# KiCad board IO_SDR_1.1.kicad_pcb (continued)
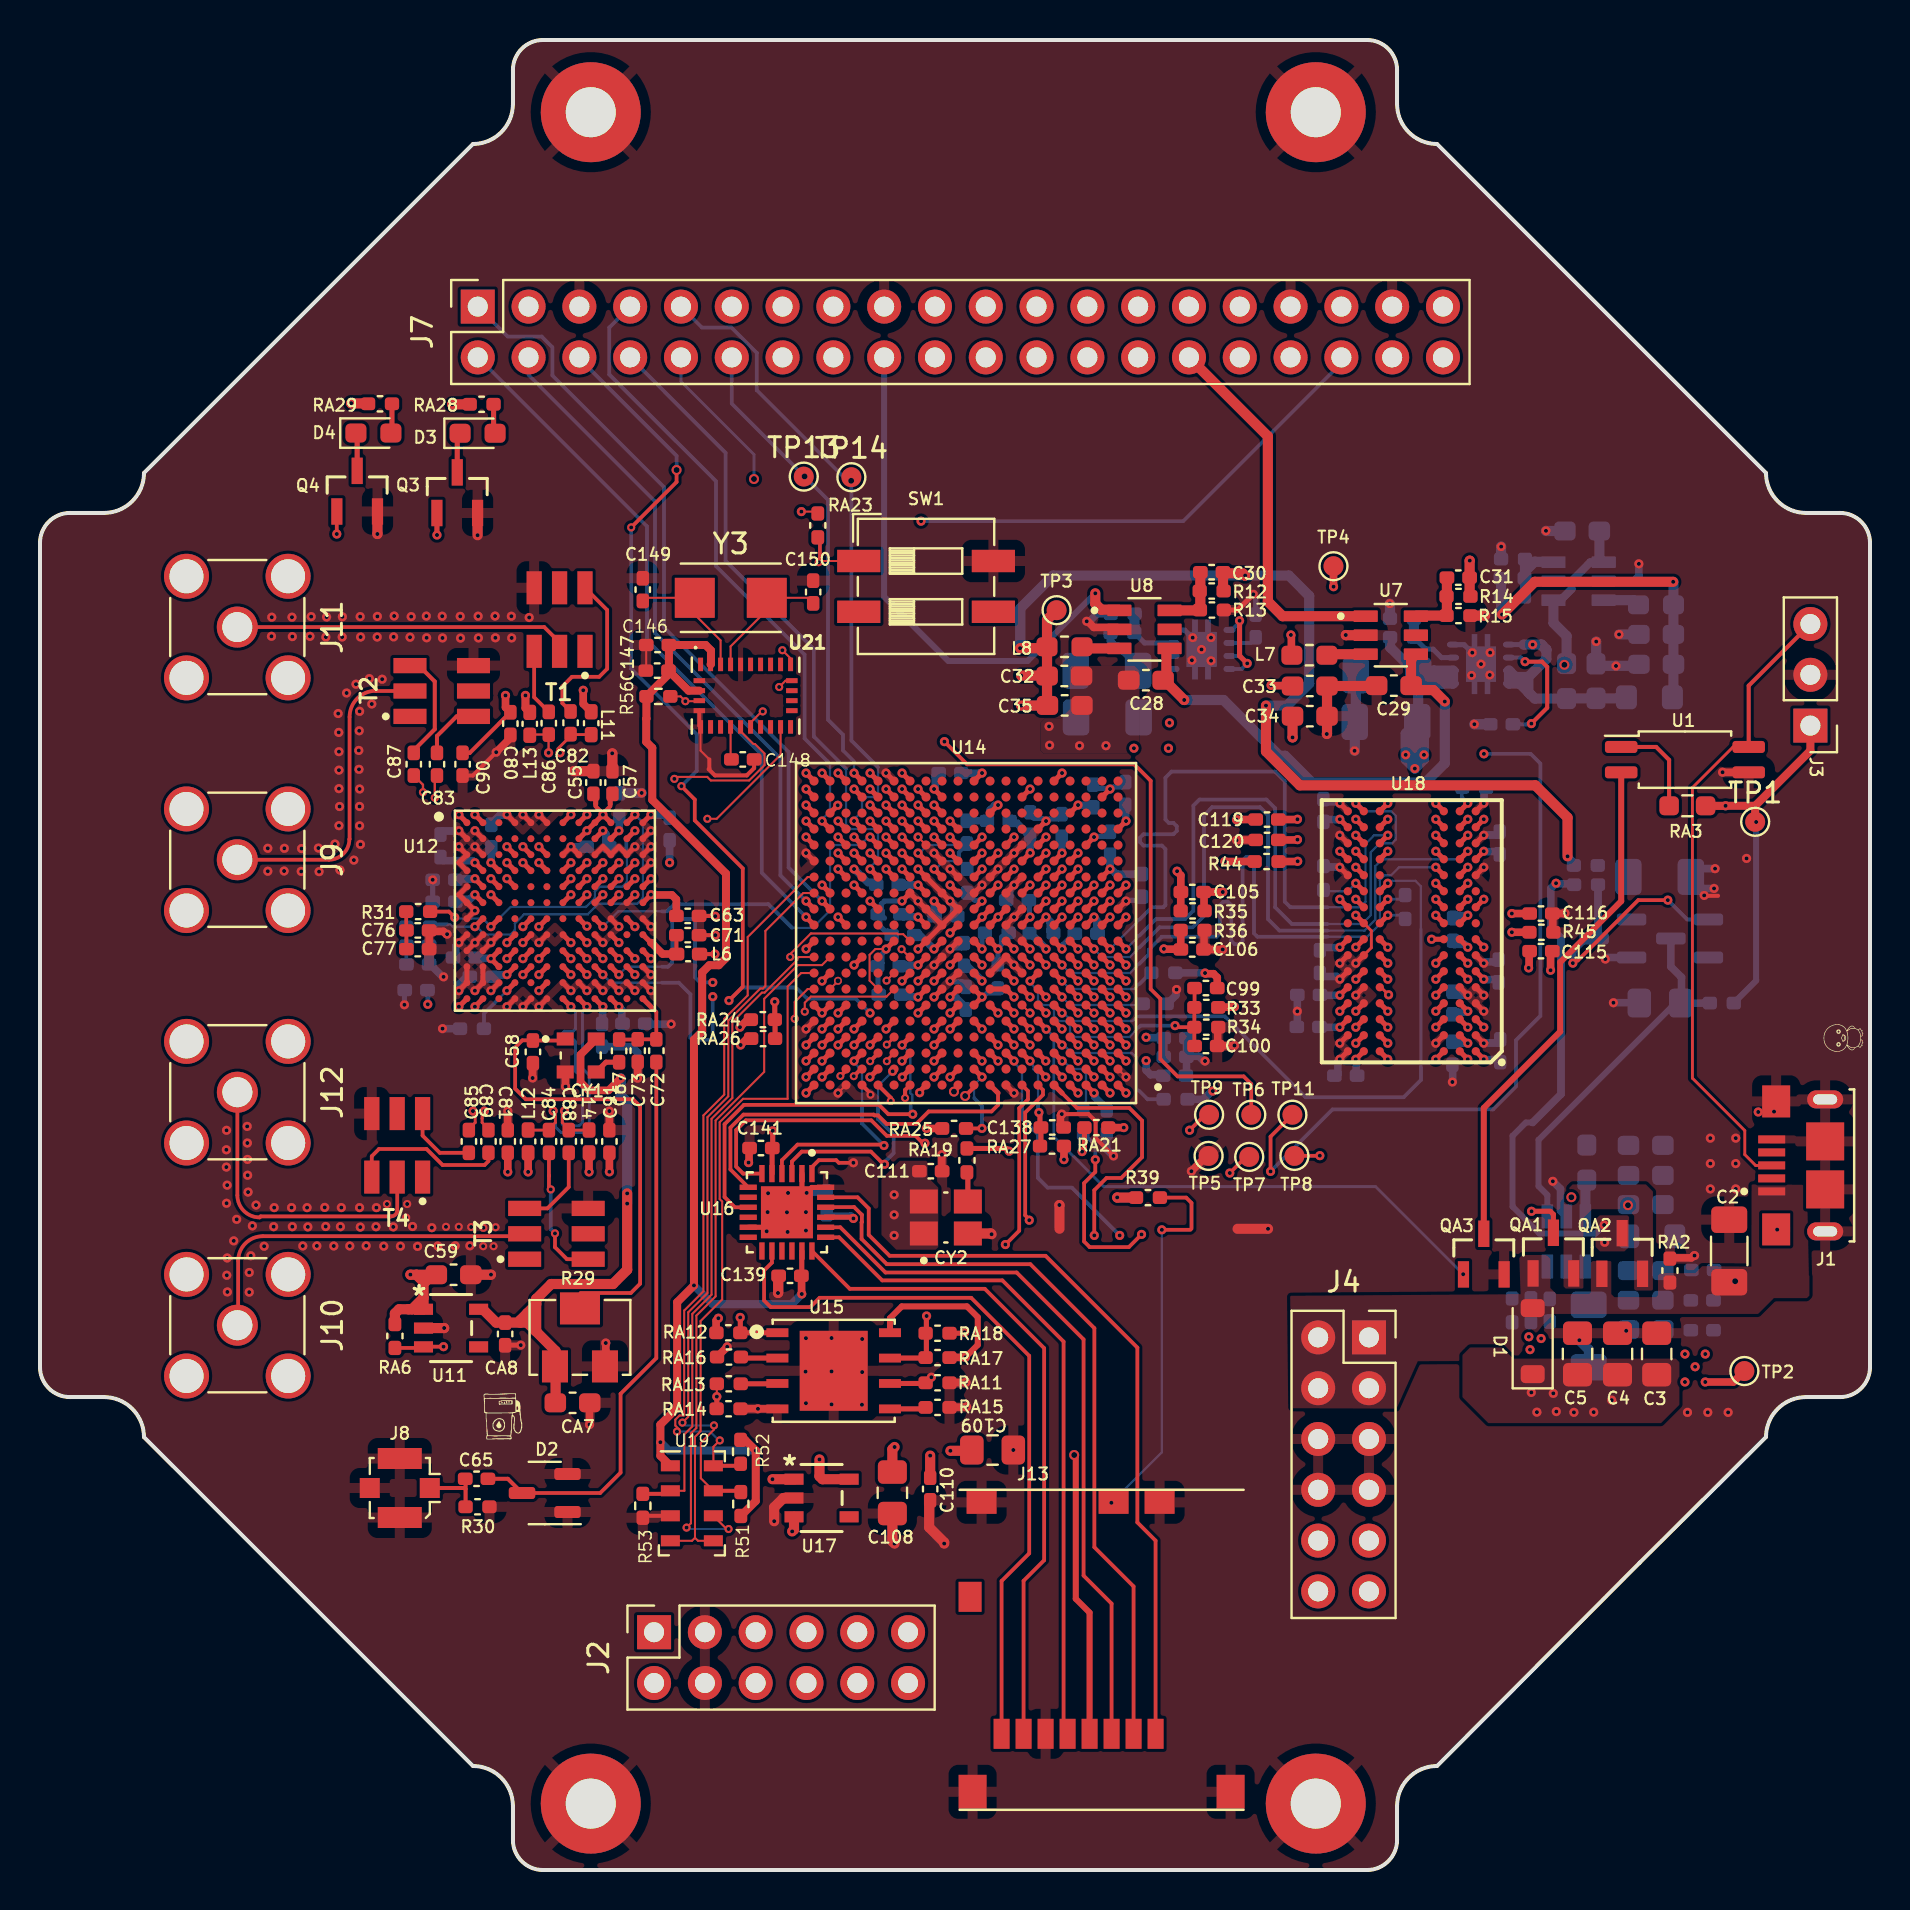
[diagram p0: board, top side]
## Nets (continued)
PS_MIO35_501_USB0_D3: U14.F12
PS_MIO38_501_USB0_D6: U14.E13
PS_MIO39_501_USB0_D7: U14.C18
PTI: J1.3 J3.3 U1.4
PWR_Rx: J4.9 U14.A10
PWR_Rx1: J4.11
PWR_Tx: J4.10 U14.A11
PWR_Tx1: J4.12
SCL: J7.9 TP14.1 U14.U17
SCLK-1: R52.2 U14.P20 U19.8
SD0-1: U14.J19 U19.6
SD_BOOT: J7.39 RA13.2 RA14.1
SDA: J7.12 TP13.1 U14.Y17
SDA-1: R51.2 U14.N20 U19.7
SDMMC_CLK: U14.D14 U16.9
SDMMC_CMD: U14.C17 U16.4
SDMMC_D0: U14.E12 U16.6
SDMMC_D1: U14.A9 U16.7
SDMMC_D2: U14.F13 U16.1
SDMMC_D3: U14.B15 U16.3
TCK: J7.32 TP11.1
TDI: J7.34 TP9.1
TDO: J7.31 TP8.1
TMS: J7.29 TP7.1
TX_VCO_1P1V_SUPPLY: R31.2 U12.B11 U12.G3
UART_RX: J7.35 U14.E8
UART_TX: J7.38 U14.D9
USR_BTN: RA20.2 RA23.2 SW1.1
USR_LED: Q3.1 U14.C8
Net-(C10-Pad1): C10.1 C11.1 C12.1 L1.2 L3.1 R4.1
Net-(C14-Pad1): C14.1 C15.1 C16.1 C18.1 L4.2 L5.1 R6.1
Net-(C76-Pad2): C76.2 C77.2 R31.1
Net-(C78-Pad2): C78.2 C79.2 R32.1
Net-(C82-Pad2): C82.2 T1.6
Net-(C83-Pad2): C83.2 T2.6
Net-(C84-Pad2): C84.2 T3.6
Net-(C85-Pad2): C85.2 T4.6
Net-(C86-Pad2): C86.2 T1.3
Net-(C87-Pad2): C87.2 T2.3
Net-(C88-Pad2): C88.2 T3.3
Net-(C89-Pad2): C89.2 T4.3
Net-(CY1-Out): C67.1 CY1.3
Net-(CY1-Standby): C58.1 CY1.1 R29.2
Net-(D3-A): D3.2 RA28.2
Net-(D3-K): D3.1 Q3.3
Net-(D4-A): D4.2 RA29.2
Net-(D4-K): D4.1 Q4.3
Net-(J8-In): C65.2 J8.1 R30.1
Net-(Q1-B): Q1.1 Q2.3 R2.2
Net-(Q1-C): C9.1 Q1.3 R3.2 U4.1
Net-(Q2-B): C7.1 Q2.1 R1.2
Net-(QA1-S): QA1.2 QA2.2
Net-(QA3-D): QA3.3 U1.2
Net-(R42-Pad2): R42.2 R43.1
Net-(RA3-Pad2): RA3.2 U1.1
Net-(U3-FB/OUT): C10.2 R4.2 R5.1 U3.6
Net-(U3-LX): L1.1 U3.3
Net-(U4-FB/OUT): C14.2 R6.2 R7.1 U4.6
Net-(U4-LX): L4.1 U4.3
Net-(U5-FB): R8.2 R9.1 U5.3
Net-(U5-NR): C24.1 U5.6
Net-(U6-FB): R10.2 R11.1 U6.3
Net-(U6-NR): C22.1 U6.6
Net-(U7-FB/OUT): C31.2 R14.2 R15.1 U7.6
Net-(U7-LX): L7.1 U7.3
Net-(U8-FB/OUT): C30.2 R12.2 R13.1 U8.6
Net-(U8-LX): L8.1 U8.3
Net-(U12-RBIAS): RA8.1 U12.L4
Net-(U14G-PS_DDR_VRN_502): R38.1 U14.G5
Net-(U14G-PS_DDR_VRP_502): R37.1 U14.H5
Net-(U14H-PS_CLK_500): RA19.1 U14.E7
Net-(U14H-PS_MIO7_500): RA21.1 U14.D8
Net-(U14H-PS_MIO8_500): RA22.1 U14.D5
Net-(U14H-PS_MIO14_500): RA20.1 U14.C5
Net-(U14I-PS_MIO_VREF_501): RA24.2 RA26.2 U14.E11
Net-(U14I-PS_SRST_B_501): RA25.1 U14.B10
Net-(U18-ZQ0): R47.1 U18.L8
Net-(U21-CAP): C148.1 U21.9
Net-(U21-XIN32): C149.1 U21.27 Y3.1
Net-(U21-XOUT32): C150.1 U21.26 Y3.2

Pads without a net: J1 2 4; J7 25 26 27 28; J9 2; J10 2; J11 2; J12 2; J13 DL; R40 1; R41 1; SW1 2 3; T1 1 5; T2 1 5; T3 1 5; T4 1 5; U3 5; U4 5; U7 5; U8 5; U11 4; U12 A3 G7 H11 M3 M11; U14 B13 C13 F6 F9 F10 F11 F16 F17 G6 G14 G17 G18 H16 H17 H18 J6 J9 J10 J15 J16 J18 K9 K10 K16 K17 K18 K19 L6 L9 L10 L14 L15 L16 L17 L19 M6 M9 M10 M14 M15 M17 M18 N6 N15 N16 P1 P3 R1 R2 R3 R6 R10 R11 R19 T1 T2 T4 T5 T6 T9 T19 U2 U3 U4 U5 U7 U8 U9 U10 V1 V2 V3 V5 V6 V7 V8 V10 V11 W1 W3 W4 W5 W6 W8 W9 W10 W11 Y1 Y2 Y3 Y4 Y6 Y7 Y8 Y9 Y11 Y12 Y13; U16 8 10 12 13 15 16; U17 4; U18 J1 J9 L1 L9 M7; U21 1 7 8 12 13 15 16 17 18 21 22 23 24

## Via types
v1: diameter 0.457, hole 0.203, Top.Cu to Bottom.Cu, 835 vias
v2: diameter 0.5, hole 0.3, Top.Cu to Bottom.Cu, 11 vias
v3: diameter 0.406, hole 0.203, Top.Cu to Bottom.Cu, 43 vias
v4: diameter 0.4, hole 0.25, Top.Cu to Bottom.Cu, 1 via
v5: diameter 0.4, hole 0.2, Top.Cu to Bottom.Cu, 8 vias

## Routing (per net, layer and track width the routed paths; a pad name or vN(x,y) marks a point on that pad's centre or on a via; arc(x,y) is an arc through that point)
+1V0: length 81.3
  Top.Cu w0.254: U14.N7 v1(49.5,49.25) ; v1(43.9,45.25) U14.J13 ; v1(43.9,43.65) U14.G13 ; v1(44.7,48.45) U14.M12 ; v1(43.9,47.65) U14.L13 ; U14.J7 v1(49.5,45.25) ; U14.G7 v1(49.5,43.65) ; U14.L7 v1(49.5,47.65) ; v1(43.9,50.85) U14.R13 ; U14.P8 v1(48.7,50.05) ; U14.R7 v1(49.51,50.85) ; v1(43.9,49.25) U14.N13 ; v1(44.7,46.05) U14.K12 ; v1(45.5,43.65) U14.G11 ; v1(44.7,50.05) U14.P12 ; U14.H10 v1(47.1,44.45) ; v1(44.7,44.45) U14.H12
  Top.Cu w0.508: v1(49.01,61.09) 50.28,61.09 ; v1(60.26,64.72) 60.24,64.72 60.13,64.83 59.21,64.83 ; v1(61.3,58.22) 61.3,55.93 62.99,54.23 74.76,54.23 76.38,52.62 v1(76.38,50.68) ; 50.35,58.25 50.35,59.7 ; 59.15,63.98 C30.1 ; TP3.1 50.35,62.51 L8.2 50.35,59.7 ; v1(49.06,58.22) 50.36,58.22 ; v1(49.06,59.72) 50.33,59.72
  Bottom.Cu w0.113: v1(43.9,50.85) 43.98,50.85 44.38,51.25 46.26,51.25 ; v1(44.7,50.05) 44.79,50.05 45.18,50.45 45.73,50.45
  Bottom.Cu w0.203: 46.34,51.27 45.94,50.88 45.94,50.66 45.73,50.45
  Bottom.Cu w0.254: 49.47,48.47 49.47,47.68 v1(49.5,47.65)
  Bottom.Cu w0.381: 43.04,45.23 43.89,45.23 v1(43.9,45.25) ; 46.29,43.13 45.79,43.63 45.52,43.63 v1(45.5,43.65) ; v1(76.38,50.68) 76.59,50.47 76.59,50.26 ; 49.39,51.86 49.32,51.86 48.85,52.34 48.6,52.34 ; v1(43.9,43.65) 43.89,43.66 43.18,43.66 ; C97.1 46.35,45.21 47.1,44.46 v1(47.1,44.45) ; v1(49.51,50.85) C101.1 ; C95.1 43.14,47.66 43.89,47.66 v1(43.9,47.65) ; v1(44.7,48.45) 44.72,48.43 44.72,47.69 ; 43.88,46.79 43.94,46.79 44.68,46.05 v1(44.7,46.05) ; 42.95,49.25 43.9,49.25 v1(43.9,49.25)
  Bottom.Cu w0.508: v1(61.3,58.22) 62.36,58.22 63.46,59.32 63.46,63.71 62.44,64.72 v1(60.26,64.72) 50.66,64.72 49.02,63.08 49.02,61.1 v1(49.01,61.09)
+1V2: length 27.8
  Top.Cu w0.2: C90.1 21.49,55.86 C80.1
  Top.Cu w0.203: 28.15,52.82 28.51,53.19 28.51,53.29 ; 28.15,52.82 27.78,53.18 27.78,53.29 ; 28.15,52.82 v1(28.15,52.77)
  Top.Cu w0.254: U12.A10 v1(28.15,52.77) U12.A9 v1(27.35,51.97) 26.95,51.57 ; U12.M9 v1(28.15,43.17) ; U12.M10 v1(28.95,43.17) ; v1(21.75,50.37) U12.D2 ; v1(22.55,49.57) 22.95,49.17 ; 27.78,53.29 27.78,53.69 ; v1(23.35,44.77) U12.K4 ; 28.51,53.29 28.51,53.69 ; v1(22.55,50.37) 22.95,49.97 ; 30.15,48.37 v1(30.55,48.77)
  Top.Cu w0.381: v1(27.45,34.9) L14.2 ; v1(30.55,48.77) 30.56,48.75 31.59,48.75 31.82,48.53 C63.1 ; v1(23.28,58.73) 23.28,58.13 C80.1 ; v1(27.16,58.99) 27.16,58.31 L11.2 ; v1(24.41,34.9) L12.2 ; v1(28.47,34.91) C91.1 ; v1(23.39,34.9) C81.1
  Top.Cu w0.4: L13.2 24.27,58.1 v1(24.27,58.73)
  Bottom.Cu w0.381: 22.56,51.12 22.56,50.38 v1(22.55,50.37) ; 28.13,42.33 28.13,43.15 v1(28.15,43.17) ; 20.14,50.47 21.62,50.47 21.72,50.37 v1(21.75,50.37) ; 54.91,60.2 53.91,61.19 53.76,61.19 53.53,61.42 R10.1 ; 22.62,44.75 23.33,44.75 v1(23.35,44.77) ; 29.09,42.35 29.09,43 28.95,43.15 v1(28.95,43.17)
  vias: v1(54.7,56.09) v1(56.47,57.36) v1(56.42,56.09)
+1V5: length 56.7
  Top.Cu w0.254: U14.A3 v1(52.7,38.85) ; U14.P2 v1(53.5,50.05) ; v1(64.99,46.14) U18.H9 ; v1(64.99,42.14) U18.C9 ; U18.D2 v1(71.39,42.94) ; v1(64.99,43.74) U18.E9 ; U18.F1 v1(72.19,44.54) ; U14.V4 v1(51.9,53.25) ; U14.H4 v1(51.9,44.45) ; U14.R5 v1(51.1,50.85) ; U18.N1 v1(72.19,50.94) ; U18.C1 v1(72.19,42.14) ; U18.H2 v1(71.39,46.14) ; U14.U1 v1(54.3,52.45) ; U18.G7 v1(67.39,45.34) ; U14.G1 v1(54.3,43.65) ; U18.B2 v1(71.39,41.34) ; v1(64.99,52.54) U18.R9 ; U18.R1 v1(72.19,52.54) ; v1(64.99,42.94) U18.D9 ; v1(65.79,48.54) U18.K8 ; U18.K2 v1(71.39,48.54) ; U14.D2 v1(53.5,41.25) ; U14.L3 v1(52.7,47.65) ; U14.E5 v1(51.1,42.05) ; U18.A1 v1(72.19,40.54) ; v1(65.79,40.54) U18.A8 ; v1(64.99,50.94) U18.N9
  Top.Cu w0.381: v1(61.55,59.24) 61.57,59.22 62.61,59.22 ; 64.68,65.19 64.68,64.17 v1(64.68,64.16) ; v1(59.24,50.42) R44.1 ; 58.18,48.9 59.14,48.9 v1(59.14,48.9) ; C99.1 58.86,44.62 58.67,44.81 58.29,44.81 v1(58.25,44.85) ; 58.2,47.98 58.2,48.87 ; v1(59.83,52.51) 59.84,52.52 C119.1 ; v1(59.72,43.16) 59.71,43.15 58.96,43.15 ; 62.57,60.76 62.57,61.73 v1(62.54,61.75) ; 75.53,45.86 v1(75.53,44.99)
  Top.Cu w0.508: C34.1 62.63,56.63 v1(62.63,56.63) ; 71.48,63.72 C31.1 71.48,65.46 v1(71.49,65.47)
  In2_Sig1.Cu w0.113: 71.48,65.48 65.99,65.48 v1(64.68,64.16)
  Bottom.Cu w0.381: 54.29,53.24 54.29,52.46 v1(54.3,52.45) ; 64,42.14 v1(64.99,42.14) ; v1(71.39,41.34) 71.37,41.35 70.77,41.35 70.65,41.47 ; v1(64.99,46.14) 64.97,46.12 64.11,46.12 ; 70.6,46.39 70.72,46.28 71.23,46.28 71.37,46.14 v1(71.39,46.14) ; 52.84,46.85 52.84,47.49 52.7,47.63 v1(52.7,47.65) ; v1(52.7,38.85) 52.75,38.8 52.75,38.64 53.34,38.05 ; C121.1 53.81,49.8 53.56,50.05 v1(53.5,50.05) C125.1 ; v1(72.19,50.94) 72.2,50.92 72.91,50.92 ; 51.1,51.65 51.1,50.85 v1(51.1,50.85) ; 72.86,44.52 72.2,44.52 v1(72.19,44.54) ; v1(58.25,44.85) 58.24,44.85 56.77,44.85 ; 70.65,42.78 70.77,42.9 71.33,42.9 71.37,42.94 v1(71.39,42.94) ; 56.14,39.76 55.53,39.76 55.3,39.99 v1(55.3,40.47) ; 65.8,39.73 65.8,40.52 v1(65.79,40.54) ; 72.98,40.4 72.86,40.52 72.2,40.52 v1(72.19,40.54) ; 64,43.74 v1(64.99,43.74) ; v1(51.9,53.25) 51.92,53.23 52.56,53.23 ; v1(64.99,52.54) 64.97,52.52 64.19,52.52 ; 56.14,41.62 55.32,41.62 v1(55.3,41.64) ; 56.19,40.68 56.19,41.57
+1V8: length 69
  Top.Cu w0.102: v1(38.07,67.92) 38.8,67.92
  Top.Cu w0.203: v1(33.75,45.8) L6.1
  Top.Cu w0.254: v1(38.3,54.85) U14.Y20 ; v1(45.5,49.25) U14.N11 ; v1(39.1,49.25) U14.N19 ; 47.5,48.05 v1(47.1,47.65) 46.7,47.25 ; 49.9,48.85 v1(50.3,49.25) ; U14.Y10 v1(47.1,54.85) ; 46.7,45.65 v1(47.1,45.25) ; U14.K8 v1(48.7,46.05) ; U14.F8 v1(48.7,42.85) ; U14.W7 v1(49.5,54.05) ; U14.B6 50.29,39.66 v1(50.29,39.65) ; v1(41.5,48.45) U14.M16 ; 36.61,34.83 36.61,36.09 ; U14.B16 41.5,39.65 v1(41.5,39.65) ; U14.K6 v1(50.3,46.05) ; v1(42.3,42.05) U14.E15 ; U14.R9 v1(47.9,50.85) ; 47.5,47.25 v1(47.9,47.65) U14.M8 ; U14.T8 v1(48.7,51.65) ; U14.P10 v1(47.1,50.05) ; U14.H8 v1(48.7,44.45) ; v1(44.7,41.25) U14.D12 ; v1(39.1,40.45) U14.C19 ; v1(39.9,42.85) U14.F18 ; 49.9,50.45 v1(50.3,50.85) ; 36.64,36.12 v1(36.64,36.96) ; U14.G9 U14.G8 v1(48.7,43.65) ; U14.N9 v1(47.9,49.25) ; 49.9,51.25 v1(50.3,51.65) ; v1(45.5,52.45) U14.U11 ; v1(39.9,51.65) U14.T18 ; v1(45.5,42.85) 45.9,43.25 ; v1(40.7,45.25) U14.J17 ; v1(45.5,46.85) U14.L11 ; v1(40.7,54.05) U14.W17 ; v1(43.1,53.25) U14.V14 ; U14.A13 43.98,38.93 v1(43.98,38.87) ; U14.D7 v1(49.5,41.25) ; 46.7,46.45 v1(47.1,46.05) ; v1(43.1,44.45) U14.H14 ; v1(38.3,46.05) U14.K20 ; 46.7,48.05 v1(47.1,48.45) ; v1(45.5,45.25) U14.J11 ; v1(42.3,50.85) U14.R15
  Top.Cu w0.3: U15.8 42.5,27.59 43.09,28.18 46.35,28.18 46.89,27.64 46.89,26.26 v1(46.27,25.64)
  Top.Cu w0.381: RA21.2 v1(54.19,37.12) ; RA26.1 35.35,41.57 v1(35.03,41.25) ; v1(44.32,37.08) 44.32,37.08 RA25.2 ; v1(33.92,27.59) 33.81,27.48 33.81,26.87 ; v1(51.2,35.52) 51.2,36.19 ; v1(83.26,24.4) 84.67,24.4 TP2.1 ; v1(46.27,25.64) 46.26,25.63 45.49,25.63
  Top.Cu w0.508: R39.1 53.87,33.62 v1(53.86,33.63) ; J7.30 61.39,71.68 61.39,63.42 62.13,62.69 66.28,62.69
  Bottom.Cu w0.254: v1(47.1,46.05) 47.11,46.05 47.11,46.84 ; 46.36,48.82 46.56,48.63 46.59,48.63 46.74,48.49 47.06,48.49 v1(47.1,48.45)
  Bottom.Cu w0.381: v1(58.64,38.95) 58.59,38.95 58.18,38.54 RA22.2 ; C112.1 v1(47.1,54.85) ; v1(50.3,46.05) 50.3,46.05 49.51,46.84
  vias: v1(42.71,33.76) v1(42.71,32.76) v1(42.71,31.73) v1(82.25,25.8) v1(82.25,24.4) v1(82.76,25.16) v1(83.26,25.8)
+3.3V: length 31
  Top.Cu w0.381: v1(29.04,39.59) 28.43,38.98 27.44,38.98 27.03,39.39 27.03,40.77 CY1.4
  Top.Cu w0.508: 24.01,27.37 24.01,27.49 24.36,27.84 ; 24.01,27.37 24.36,27.37 ; 24.01,27.37 CA8.1 22.81,27.37 22.14,28.04 ; 24.36,27.37 24.78,26.95 ; 24.36,27.37 24.36,27.84 ; 24.78,26.95 24.81,26.98 24.81,28.55 ; 24.78,26.95 25.78,25.95 25.78,23.37 ; 24.36,27.84 24.81,28.29 24.81,28.55 ; v1(29.36,33.83) 29.36,30.01 28.65,29.3 25.56,29.3 24.81,28.55
  Bottom.Cu w0.508: v1(29.36,33.32) 29.36,38.4 29.04,38.72 v1(29.04,39.59)
+3V3: length 90.2
  Top.Cu w0.254: 39.29,32.64 40.6,32.64 v1(40.67,32.58) ; 38.09,29.73 38.09,30.94
  Top.Cu w0.3: v2(51.71,20.75) 51.79,20.67 51.79,13.56 52.48,12.87 J13.4
  Top.Cu w0.381: 38.08,29.7 38.08,28.81 v1(38.09,28.8)
  Top.Cu w0.4: U19.1 31.02,20.71 v3(31.02,21.39) 31.02,22.27 31.86,23.11 31.86,28.39 v3(32.7,29.23) 32.7,41.51 33.11,41.92 33.11,44.88 33.47,45.24 33.94,45.24 34.3,45.6 34.3,49.82 30.61,53.51 30.61,56.11 30.31,56.41 30.31,57.56 30.32,57.57 R56.1 31.43,59.78 C147.1 32.43,58.97 U21.3 ; R51.1 35.79,18.45 v3(35.79,20.97) 35.25,21.51 R52.1 ; 31.45,59.99 C146.1 33.28,61.25 33.55,60.98 33.55,60.3 U21.28
  Top.Cu w0.508: v1(38.97,20.53) 38.97,19.69 39.12,19.54 U17.5 ; v1(42.73,21.15) 42.62,21.04 C108.1 ; v1(44.51,20.72) C110.1 ; v1(45.52,20.96) 46.55,20.96
  Bottom.Cu w0.381: v1(40.67,32.58) 40.55,32.69 39.42,32.69
  Bottom.Cu w0.4: v3(35.79,20.97) 35.37,20.97 35.36,20.97 31.43,20.97 v3(31.02,21.39) ; v1(38.09,28.8) 37.58,28.29 33.64,28.29 v3(32.7,29.23)
+5VA: length 178.1
  Top.Cu w0.381: RA3.1 v1(84.28,53.21)
  Top.Cu w0.4: J3.1 88.52,55.97 85.76,53.21 ; 85.76,53.21 TP1.1 ; 85.76,53.21 RA3.1
  Top.Cu w0.508: 19.17,28.61 18.6,28.04 18.43,28.04 ; 19.17,28.61 U11.1 18.43,28.04 ; 19.17,28.61 19.17,29.32 ; 21.48,73.28 20.61,73.28 v1(20.61,73.28) ; 18.82,29.76 19.17,29.41 19.17,29.32 ; 18.82,29.76 C59.1 ; 18.82,29.76 18.52,29.76 v1(18.52,29.77) ; v1(15.56,73.34) 15.57,73.33 16.39,73.33 ; 53.93,63.02 53.06,63.02 52.77,63.31 v1(52.77,63.83) ; 18.43,28.04 17.95,28.04 17.74,27.83 RA6.1 ; 68.6,59.24 68.84,59 69.67,59 v1(70.24,58.42) ; 56.32,59.65 56.32,61.04 ; U17.3 37.7,17.02 v1(37.61,16.93) ; v1(57.21,58.5) 57.21,58.5 56.22,59.49 ; C29.1 68.56,60.55 68.79,60.79 ; U17.1 v1(36.62,19.54) ; 19.17,29.32 19.62,29.76
  In1.GND1.Cu w0.381: v2(76.22,60.26) 75.8,59.84 v1(75.8,49.34) 79.68,53.21 v1(84.28,53.21)
  In1.GND1.Cu w0.508: v1(70.24,58.42) 74.38,58.42 v2(76.22,60.26)
  In2_Sig1.Cu w0.113: v1(52.77,63.83) 54.12,63.83 54.72,63.24 54.72,59.15 55.37,58.5 v1(57.21,58.5)
  In4PWR2.Cu w0.3: J7.18 39.86,73.28 v1(20.61,73.28)
  In4PWR2.Cu w0.508: v1(20.61,73.28) 20.55,73.34 v1(15.56,73.34)
  Bottom.Cu w0.3: v1(52.76,63.83) 49.38,60.45 45.42,60.45 42.21,63.66 J7.18 ; 74.64,37.37 74.29,37.37 73.63,36.71 73.63,33.17 74.97,31.83 77.78,31.83 v1(78.21,32.25) ; R3.1 85.81,44.47 v3(85.81,52.4)
  Bottom.Cu w0.381: 76.6,49.3 75.84,49.3 v1(75.8,49.34) 75.54,49.07 75.54,47.12 76.05,46.61 76.05,38.79 74.64,37.37
  Bottom.Cu w0.4: U3.1 77.52,65.39 76.58,64.45 76.58,64.05 76.02,63.49 75.67,63.49
  Bottom.Cu w0.508: L2.1 76.33,61.7 75.67,62.35 U3.4 ; v1(70.24,58.42) 70.24,55.34 69.28,54.38 63.58,54.38 62.25,55.71 61.97,55.71 59.18,58.5 v1(57.21,58.5) ; C6.1 77.97,65.6 78.18,65.39
  vias: v1(74.57,23.88) v1(74.85,22.89) v1(75.67,23.83) v1(75.82,22.92) v1(76.7,22.88) v1(77.69,22.89) v1(78.23,31.39) v1(78.59,23.49)
+5VD:
  vias: v2(84.76,29.44)
+5VP: length 2.1
  Top.Cu w0.254: v1(74.58,32.94) 75.52,32.94 75.67,32.78 QA1.3
+15V: length 6.5
  Top.Cu w0.254: v1(65.79,50.14) U18.M8 ; U18.H1 v1(72.19,46.14)
  Top.Cu w0.381: C119.2 62.86,52.52 v1(62.87,52.54) ; v1(62.87,51.52) 62.86,51.5 C120.1 ; v1(73.59,47.82) C116.1 ; 74.46,45.84 74.46,45.13 v1(74.43,45.11) ; R44.2 62.87,50.42 v1(62.88,50.44) ; v1(73.59,46.89) R45.1
GND: length 262.9
  Top.Cu w0.102: v1(39.9,38.85) U14.A18 ; U14.F3 v1(52.7,42.85) ; 33.47,55.53 33.03,55.97 U21.6 ; v1(42.3,46.05) 41.77,46.05 41.48,45.76 41.48,44.47 U14.G16 ; U14.B1 v1(54.3,39.65) ; U14.J2 v1(53.5,45.25) ; C146.2 30.31,59.99 ; U14.F7 v1(49.5,42.85) ; U14.T13 v1(43.9,51.65)
  Top.Cu w0.142: U18.G8 66.57,46.12 66.57,46.96 U18.J8
  Top.Cu w0.2: U21.5 32.97,57.22 U21.6 ; C148.2 35.71,55.1 35.34,54.73 33.75,54.73 33.44,55.04 33.47,55.07 33.47,55.53 ; U19.3 30.24,17.71 ; v1(22.81,55.89) 21.64,54.72 C90.2
  Top.Cu w0.203: v1(33.76,47.69) 33.74,47.71 C63.2 ; v1(33.77,46.74) C71.2 ; 83.9,48.71 83.23,48.71 v1(83.21,48.73) ; v1(53.68,35.7) 52.78,36.6 52.78,37.43 52.42,37.8 v1(51.09,37.8)
  Top.Cu w0.254: U18.P1 v1(72.19,51.74) ; v1(69.79,41.34) U18.B3 ; U12.H10 v1(28.95,46.37) ; 30.15,52.37 v1(30.55,52.77) ; U14.C4 v1(51.9,40.45) ; v1(45.5,44.45) U14.H11 ; U18.E2 v1(71.39,43.74) ; U14.N4 v1(51.9,49.25) ; 26.15,50.77 v1(26.55,51.17) 26.95,50.77 ; v1(40.7,41.25) U14.D17 ; v1(23.35,43.17) U12.M4 ; U14.T7 v1(48.7,50.85) U14.R8 ; 30.15,47.57 v1(30.55,47.17) ; U12.C9 28.15,51.17 U12.C10 28.95,51.17 U12.C11 v1(29.75,51.17) ; U14.A8 v1(48.7,38.85) ; U14.G10 v1(47.1,43.65) 46.7,43.25 ; v1(64.99,41.34) U18.B9 ; U12.L11 v1(29.75,43.97) ; U18.E1 v1(72.19,43.74) ; U18.G1 v1(72.19,45.34) ; v1(23.35,52.77) U12.A4 ; v1(39.89,53.24) 39.89,53.23 U14.V19 ; U18.D1 v1(72.19,42.94) ; v1(24.95,43.17) U12.M6 ; 30.15,44.37 v1(30.55,43.97) ; v1(64.99,44.54) U18.F9 ; v1(24.15,52.77) U12.A5 ; v1(38.3,50.85) U14.R20 ; v1(65.79,42.94) U18.D8 ; v1(45.5,50.05) U14.P11 ; v1(43.1,48.45) U14.N14 v1(43.9,48.45) U14.M13 U14.L12 ; U14.E10 v1(47.1,42.05) ; v1(60.66,63.78) 59.88,63 R13.2 ; U14.L12 U14.M11 v1(45.5,48.45) U14.N12 U14.P13 v1(43.9,50.05) ; U14.L12 U14.K13 v1(43.9,46.05) ; 38.34,33.88 38.59,34.13 39.27,34.13 ; U14.N8 v1(48.7,49.25) U14.P7 ; U14.Y5 v1(51.1,54.85) ; U12.J2 v1(22.55,46.37) 22.95,46.77 ; v1(44.7,45.25) U14.J12 ; 30.15,49.97 v1(30.55,50.37) ; 26.15,48.37 v1(26.55,48.77) ; v1(44.7,43.65) U14.G12 ; U14.V9 v1(47.9,53.25) ; v1(20.95,46.37) 21.35,46.77 ; 38.1,34.06 U16.2 ; U14.U6 v1(50.3,52.45) ; v1(21.75,51.17) U12.C2 ; U12.F11 v1(29.75,48.77) ; U14.J2 v1(53.5,45.25) ; U18.J2 v1(71.39,47.74) ; 21.35,47.57 v1(21.75,47.97) 20.95,48.77 21.35,49.17 ; U12.H9 v1(28.15,46.37) ; U12.L9 v1(28.15,43.97) ; v1(64.99,50.14) U18.M9 ; v1(24.95,46.37) U12.H6 ; U14.K7 v1(49.5,46.05) ; v1(65.79,43.74) U18.E8 ; 30.15,45.17 v1(30.55,44.77) ; v1(22.55,43.97) 22.95,44.37 ; v1(21.75,51.97) U12.B2 ; U14.H9 U14.J8 v1(48.7,45.25) U14.H7 ; U18.M1 v1(72.19,50.14) ; v1(64.99,40.54) U18.A9 ; v1(64.99,53.34) U18.T9 ; 30.15,51.57 v1(30.55,51.97) ; U12.L10 v1(28.95,43.97) ; v1(24.15,43.17) U12.M5 ; v1(39.9,47.65) U14.L18 ; U14.W2 v1(53.5,54.05) ; v1(65.79,47.74) U18.J8 ; v1(64.99,51.74) U18.P9 ; v1(24.95,52.77) U12.A6 ; 21.35,49.97 20.95,50.37 21.35,50.77 v1(20.95,51.17) ; v1(38.3,42.05) U14.E20 ; v1(40.7,50.05) U14.P17 ; v1(45.5,46.05) U14.K11 ; U14.N10 v1(47.1,49.25) ; v1(44.7,50.85) U14.R12 ; U16.11 36.17,32.14 ; v1(43.1,40.45) U14.C14 ; 49.9,48.05 v1(50.3,48.45) ; U12.K2 U12.L2 v1(21.75,43.97) ; 30.15,50.77 v1(30.55,51.17) ; U14.C9 v1(47.9,40.45) ; U12.G10 v1(28.95,47.17) ; v1(39.1,44.45) U14.H19 ; U14.T3 v1(52.7,51.65) ; 26.15,44.37 v1(26.55,43.97) ; 26.95,44.37 v1(27.35,43.97) ; v1(23.35,51.17) U12.C4 ; 26.15,46.77 v1(26.55,46.37) ; v1(24.15,46.37) U12.H5 ; v1(43.9,44.45) U14.H13 ; v1(45.5,39.65) U14.B11 ; U18.B1 v1(72.19,41.34) ; v1(20.95,51.97) 21.35,51.57 ; 23.26,26.24 v1(24.04,26.24) ; U14.M1 v1(54.3,48.45) ; U12.F9 v1(28.15,48.77) ; U14.L8 v1(48.7,47.65) U14.M7 ; U18.T1 v1(72.19,53.34) ; 21.35,45.17 21.35,44.37 v1(20.95,43.97) ; v1(44.7,54.05) U14.W12 ; 21.35,45.97 v1(21.75,46.37) U12.H2 ; v1(41.5,52.45) U14.U16 ; v1(64.99,45.34) U18.G9 ; v1(42.3,46.05) U14.K15 ; v1(22.55,48.77) 22.95,48.37 ; U14.P9 v1(47.9,50.05) ; U14.K5 v1(51.1,46.05) ; v1(65.79,45.34) U18.G8 ; v1(42.3,54.85) U14.Y15
  Top.Cu w0.381: v1(27.48,22.27) 27.48,23.35 ; v1(35.43,35.37) 35.45,35.4 35.45,36.07 ; v1(82.73,30.72) 82.68,30.72 82.57,30.61 81.5,30.61 ; v1(20.35,46.79) 20.31,46.79 20.16,46.93 19.5,46.93 ; v1(29.88,39.59) 29.89,39.6 C73.2 ; v1(76.25,47.84) 76.23,47.82 C116.2 ; 45.49,24.37 46.29,24.37 v1(46.3,24.38) ; v1(34.36,26.16) 34.36,26.16 RA16.2 ; 53.87,62.13 52.69,62.13 52.38,62.43 v1(52.34,62.43) ; 26.27,39.89 26.27,39.18 v1(26.28,39.17) ; C91.2 v1(28.47,37.95) ; 24.64,40.33 24.64,39.61 v1(24.63,39.6) ; 36.87,23.06 35.9,23.06 v1(35.9,23.06) RA14.2 ; 58.18,46.03 v1(59.14,46.03) ; 28.28,25.95 28.29,25.96 v1(28.29,26.35) ; 51.02,37.25 51.02,37.73 v1(51.09,37.8) ; 75.64,46.91 75.64,47.8 ; 45.09,34.95 v1(45.09,35.77) ; C120.2 59.84,51.5 v1(59.83,51.49) ; 45.49,23.14 46.32,23.14 v1(46.33,23.16) ; U1.3 84.14,54.88 v1(84.13,54.89) ; 58.2,46.05 58.2,46.97 ; 75.62,34.46 v1(75.64,34.43) ; C77.1 C76.1 ; 58.9,41.21 59.71,41.21 v1(59.72,41.23) ; v1(57.57,34.94) 58.33,35.7 ; 58.89,41.23 58.89,42.12 ; v1(35,42.14) 35.38,42.52 ; C81.2 v1(23.39,37.95) ; v1(22.81,55.89) 23.52,56.6
  Top.Cu w0.508: U17.2 37.17,18.6 36.71,18.13 v1(36.71,17.44) ; v1(22.55,29.77) 22.54,29.76 C59.2 ; v1(47.58,31.79) 47.54,31.83 CY2.2 ; v1(65.29,61.75) 65.3,61.74 66.28,61.74 ; 28.62,54.95 28.62,55.83 v1(28.61,55.83) ; 66.81,59.2 C33.2 C34.2 64.35,56.81 v1(64.34,56.8) ; v1(16.87,66.8) 16.87,66.8 16.87,67.92 ; v1(36.9,28.85) 36.91,28.86 36.91,29.69 ; v1(50.97,33.25) 50.97,33.24 50.97,32.07 ; R15.2 72.25,62.72 v1(72.26,62.73) ; 59.88,32.06 v1(61.4,32.06) ; U11.2 20.21,27.1 v1(20.21,27.1) ; v1(26.68,54.94) 27.67,54.94 ; C108.2 42.62,16.43 v1(42.73,16.32) ; v1(21.88,66.74) Q3.2 ; 44.46,18.43 44.46,17.13 45.21,16.38 v1(45.21,16.32)
  In1.GND1.Cu w0.102: v1(43.1,40.45) 42.68,40.87 41.08,40.87 v1(40.7,41.25) 40.32,40.87 40.32,40.29 40.1,40.07 39.78,40.07 39.52,39.81 39.52,39.23 v1(39.9,38.85) ; v1(47.1,43.65) 47.52,43.23 49.12,43.23 v1(49.5,42.85) ; v1(43.9,51.65) 43.52,52.03 41.92,52.03 v1(41.5,52.45) ; v1(52.7,42.85) 53.08,43.23 53.08,44.83 v1(53.5,45.25) 53.08,45.67 51.48,45.67 v1(51.1,46.05) ; v1(51.9,40.45) 52.28,40.07 52.82,40.07 53.08,39.81 53.08,39.53 53.34,39.27 53.92,39.27 v1(54.3,39.65)
  In1.GND1.Cu w0.142: v1(26.55,46.37) 26.56,46.37 26.98,46.79 27.72,46.79 v1(28.15,46.37)
  In1.GND1.Cu w0.254: v1(51.1,46.05) 50.65,46.5 49.96,46.5 v1(49.5,46.05) ; v1(39.89,53.24) 40.71,53.24 v1(41.5,52.45)
  Bottom.Cu w0.203: v1(53.68,35.7) 53.67,35.7
  Bottom.Cu w0.254: 70.66,61.26 71.21,61.26 71.61,60.87 ; 48.37,48.49 48.55,48.68 48.55,49.04 48.7,49.19 v1(48.7,49.25) ; v1(42.3,46.05) 42.3,45.99 42.1,45.79 42.1,45.37 41.92,45.19 ; 51.09,52.74 50.91,52.55 50.46,52.55 50.36,52.45 v1(50.3,52.45) 50.25,52.45 50.12,52.58 49.7,52.58 49.51,52.76 ; 46.21,44.31 46.1,44.41 45.54,44.41 v1(45.5,44.45) 45.54,44.49 ; 41.9,43.81 41.9,45.15 ; 53.5,51.87 53.32,51.69 52.74,51.69 v1(52.7,51.65) ; v1(54.3,48.45) 54.34,48.49 54.93,48.49 ; v1(51.1,46.05) 51.14,46.09 51.14,46.27 51.68,46.82 ; v1(18.22,43.26) 18.22,43.98 ; 47.89,44.05 47.7,43.86 47.36,43.86 47.16,43.65 v1(47.1,43.65) ; v1(19.63,49.51) C60.2 ; v1(45.5,46.05) 45.56,46.05 45.61,46.1 46.08,46.1 46.26,46.29 ; C107.2 42.38,46.95 42.24,46.95 42,47.2 42,47.74 ; 57.61,61.62 57.23,61.99 56.68,61.99 ; 42.23,47.6 42.07,47.76 42.07,48.3 42.22,48.45 v1(43.1,48.45) ; v1(51.1,54.85) 51.11,54.84 ; 52.84,54.09 53.46,54.09 v1(53.5,54.05) 53.56,54.05 53.66,54.15 54.08,54.15 54.26,54.34 ; C22.2 60.78,63.58 60.66,63.7 v1(60.66,63.78)
  Bottom.Cu w0.381: v1(38.33,33.86) 38.36,33.89 39.29,33.89 ; 62.87,43.74 v1(62.87,42.94) 62.87,42.14 ; 44.76,54.73 44.76,54.12 44.7,54.07 v1(44.7,54.05) ; 57.33,40.68 57.95,40.68 58.19,40.45 v1(58.25,40.45) ; 57.33,40.68 57.33,39.71 ; 57.33,40.68 57.33,41.6 ; 45.69,47.8 45.69,48.24 45.5,48.43 v1(45.5,48.45) ; 72.81,45.4 72.28,45.4 72.21,45.34 v1(72.19,45.34) ; 64.9,39.8 64.9,40.42 64.99,40.52 v1(64.99,40.54) ; v1(20.18,44.66) 20.14,44.66 19.51,45.28 ; C74.2 29.58,41.17 29.88,40.87 v1(29.88,39.59) ; 72.98,41.47 72.86,41.35 72.2,41.35 v1(72.19,41.34) ; 70.72,47.72 71.37,47.72 v1(71.39,47.74) ; v1(78.27,45.55) 78.31,45.55 78.39,45.63 Q2.2 ; 20.79,45.74 20.79,46.19 20.95,46.35 v1(20.95,46.37) ; 47.49,52.58 47.49,52.99 47.74,53.23 47.89,53.23 v1(47.9,53.25) ; 64.11,44.68 64.83,44.68 64.97,44.54 v1(64.99,44.54) ; v1(71.39,43.74) 71.37,43.75 70.75,43.75 70.65,43.85 ; v1(72.19,53.34) 72.2,53.35 72.2,54.05 ; 31.36,52.75 30.56,52.75 v1(30.55,52.77) ; v1(56.83,44.02) 56.79,43.99 56.79,43.73 56.37,43.31 ; v1(64.99,50.14) 64.97,50.15 64.15,50.15 ; v1(64.99,53.34) 64.97,53.34 64.9,53.4 64.24,53.4 ; v1(40.7,50.05) 40.72,50.05 41.4,49.37 41.69,49.37 ; v1(72.19,51.74) 72.2,51.75 72.86,51.75 72.86,51.75 72.91,51.75 ; v1(20.13,42.07) RA8.2 ; 20.14,51.95 20.93,51.95 v1(20.95,51.97) ; v1(52.34,62.43) 52.48,62.43 52.86,62.82 53.53,62.82 ; 53.33,36.86 53.33,36.03 53.67,35.7 ; v1(70.62,39.4) 70.63,39.41 70.63,40.32 ; v1(79.94,65.31) 79.94,64.7 79.69,64.44 78.19,64.44 ; 83.02,49.08 v1(83.7,49.08) ; 21.33,44.66 20.96,44.29 20.96,43.98 v1(20.95,43.97) ; v1(26.55,51.17) 26.55,51.16 27.33,51.16 ; C103.2 47.34,52.46 ; v1(78.67,43.36) 79.95,43.36 ; 83.02,50.07 v1(83.75,50.07) ; 30.29,42.3 v1(31.56,42.3) ; v1(24.95,43.17) 24.97,43.17 ; U4.2 76.03,32.97 76.03,34.05 v1(75.64,34.43) ; 22.56,52.32 23,52.75 23.33,52.75 v1(23.35,52.77)
  Bottom.Cu w0.5: C8.2 77.44,26.02 v3(76.97,26.49)
  Bottom.Cu w0.508: v1(77.81,61.42) 77.81,61.42 77.81,60.31 ; 65.79,57.86 C23.2 ; C24.2 71.72,57.29 v1(71.72,57.29) ; v1(78.95,61.78) 79.94,61.78 ; v1(67.49,63.32) 67.5,63.31 R9.2 ; C27.2 65.74,55.97 v1(65.73,55.96) ; C79.1 C78.1 ; 79.88,60.21 78.81,60.21 v1(78.8,60.2) 78.79,60.21 78.02,60.21 ; v1(73.06,66.17) 73.05,66.16 R5.2 ; 28.98,53.85 v1(30.08,53.85) ; C6.2 75.31,66.95 v1(75.3,66.96)
  vias: v1(9.33,36.98) v1(9.32,36.01) v1(9.32,35.15) v1(9.36,34.24) v1(9.33,33.34) v1(9.36,30.6) v1(9.34,29.74) v1(9.37,28.9) v1(9.69,31.46) v1(9.83,32.53) v1(10.36,37.18) v1(10.37,36.35) v1(10.38,35.53) v1(10.38,34.74) v1(10.4,33.9) v1(10.46,29.88) v1(10.46,28.89) v1(10.54,30.71) v1(10.62,32.21) v1(10.8,33.25) v1(11.21,31.19) v1(11.39,51.09) v1(11.39,49.94) v1(11.59,62.64) v1(11.57,61.69) v1(11.68,32.17) v1(11.71,33.12) v1(12.22,51.09) v1(12.21,49.95) v1(12.58,33.12) v1(12.6,62.64) v1(12.62,61.67) v1(12.62,32.17) v1(13.08,51.07) v1(13.06,49.93) v1(13.14,31.2) v1(13.35,33.12) v1(13.39,32.16) v1(13.5,61.68) v1(13.56,62.67) v1(13.84,31.2) v1(13.92,51.1) v1(13.95,49.92) v1(14.29,61.65) v1(14.24,33.13) v1(14.29,32.18) v1(14.33,62.65) v1(14.69,31.2) v1(14.75,51.3) v1(14.91,57.82) v1(14.94,56.88) v1(14.95,55.92) v1(14.95,54.99) v1(14.95,54.07) v1(14.98,53.17) v1(14.95,52.22) v1(15,50) v1(15.07,33.12) v1(15.02,32.17) v1(15.12,62.66) v1(15.11,61.65) v1(15.33,58.85) v1(15.49,31.2) v1(15.69,50.49) v1(15.8,59.29) v1(15.98,57.93) v1(15.96,56.96) v1(15.94,55.98) v1(15.95,55.03) v1(15.98,54.05) v1(15.98,53.18) v1(15.98,52.21) v1(15.98,33.12) v1(16.01,62.67) v1(16.03,61.65) v1(16.02,51.28) v1(16.01,32.15) v1(16.31,31.21) v1(16.47,59.57) v1(16.59,58.3) v1(16.87,62.68) v1(16.86,61.65) v1(16.82,33.12) v1(16.8,32.17) v1(17.11,59.54) v1(17.19,31.19) v1(17.68,61.66) v1(17.66,32.16) v1(17.71,62.7) v1(18.02,31.19) v1(18.56,62.67) v1(18.5,61.64) v1(18.63,32.18) v1(18.88,31.18) v1(19.32,62.7) v1(19.33,61.61) v1(19.59,32.12) v1(19.89,31.2) v1(20.11,62.69) v1(20.13,61.6) v1(20.76,31.21) v1(21.01,62.68) v1(21.03,61.6) v1(21.49,31.21) v1(21.91,62.69) v1(21.92,61.6) v1(22.75,62.7) v1(22.77,61.61) v1(23.57,62.69) v1(23.58,61.6) v1(24.46,62.63) v1(36.38,32.89) v1(36.33,31.93) v1(36.4,33.84) v1(37.35,32.89) v1(37.38,31.9) v1(37.4,33.85) v1(38.3,32.89) v1(38.3,31.97) v1(38.3,26.59) v1(38.28,24.92) v1(38.3,23.34) v1(39.58,26.6) v1(39.58,24.93) v1(39.58,23.28) v1(41.1,23.26) v1(41.11,26.55) v1(41.11,24.9) v1(48.67,21) v1(50.45,57.18) v1(50.48,56.24) v1(51.98,56.21) v1(53.3,56.21) v1(57.59,60.49) v1(57.63,61.62) v1(58.08,61.03) v1(58.55,61.62) v1(58.55,60.46) v1(71.58,59.73) v1(71.61,60.87) v1(72.05,60.3) v1(72.49,59.75) v1(72.51,60.87) v1(82.37,22.88) v1(83.39,22.88) v1(83.52,36.59) v1(83.52,35.32) v1(83.52,34.05) v1(84.41,22.88) v1(84.79,36.59) v1(84.79,35.32) v1(84.79,34.05) v1(85.33,50.58) v1(85.91,37.9) v1(86.7,37.92) v3(17.35,33.3) v3(18.36,33.3) v3(18.31,32.62) v3(20.3,32.16) v3(20.94,32.16) v3(21.56,32.15) v3(22.17,32.11) v3(22.16,31.19) v3(22.68,31.19) v3(22.78,32.14) v3(79.31,26.96) v3(86.86,32.02)